# Altium PCB PCB1.PcbDoc
Units mil, origin at the board's own origin, x right, y up, seen from the top; angles counter-clockwise.
Board outline 6000 x 4000 mil, 4 copper layers (Top Layer, Ground, Power, Bottom Layer), stack 23.756 mil thick; 138 components, 145 nets, 524 pads, 0 vias.
Unrouted connection lines stored in the file: 269.
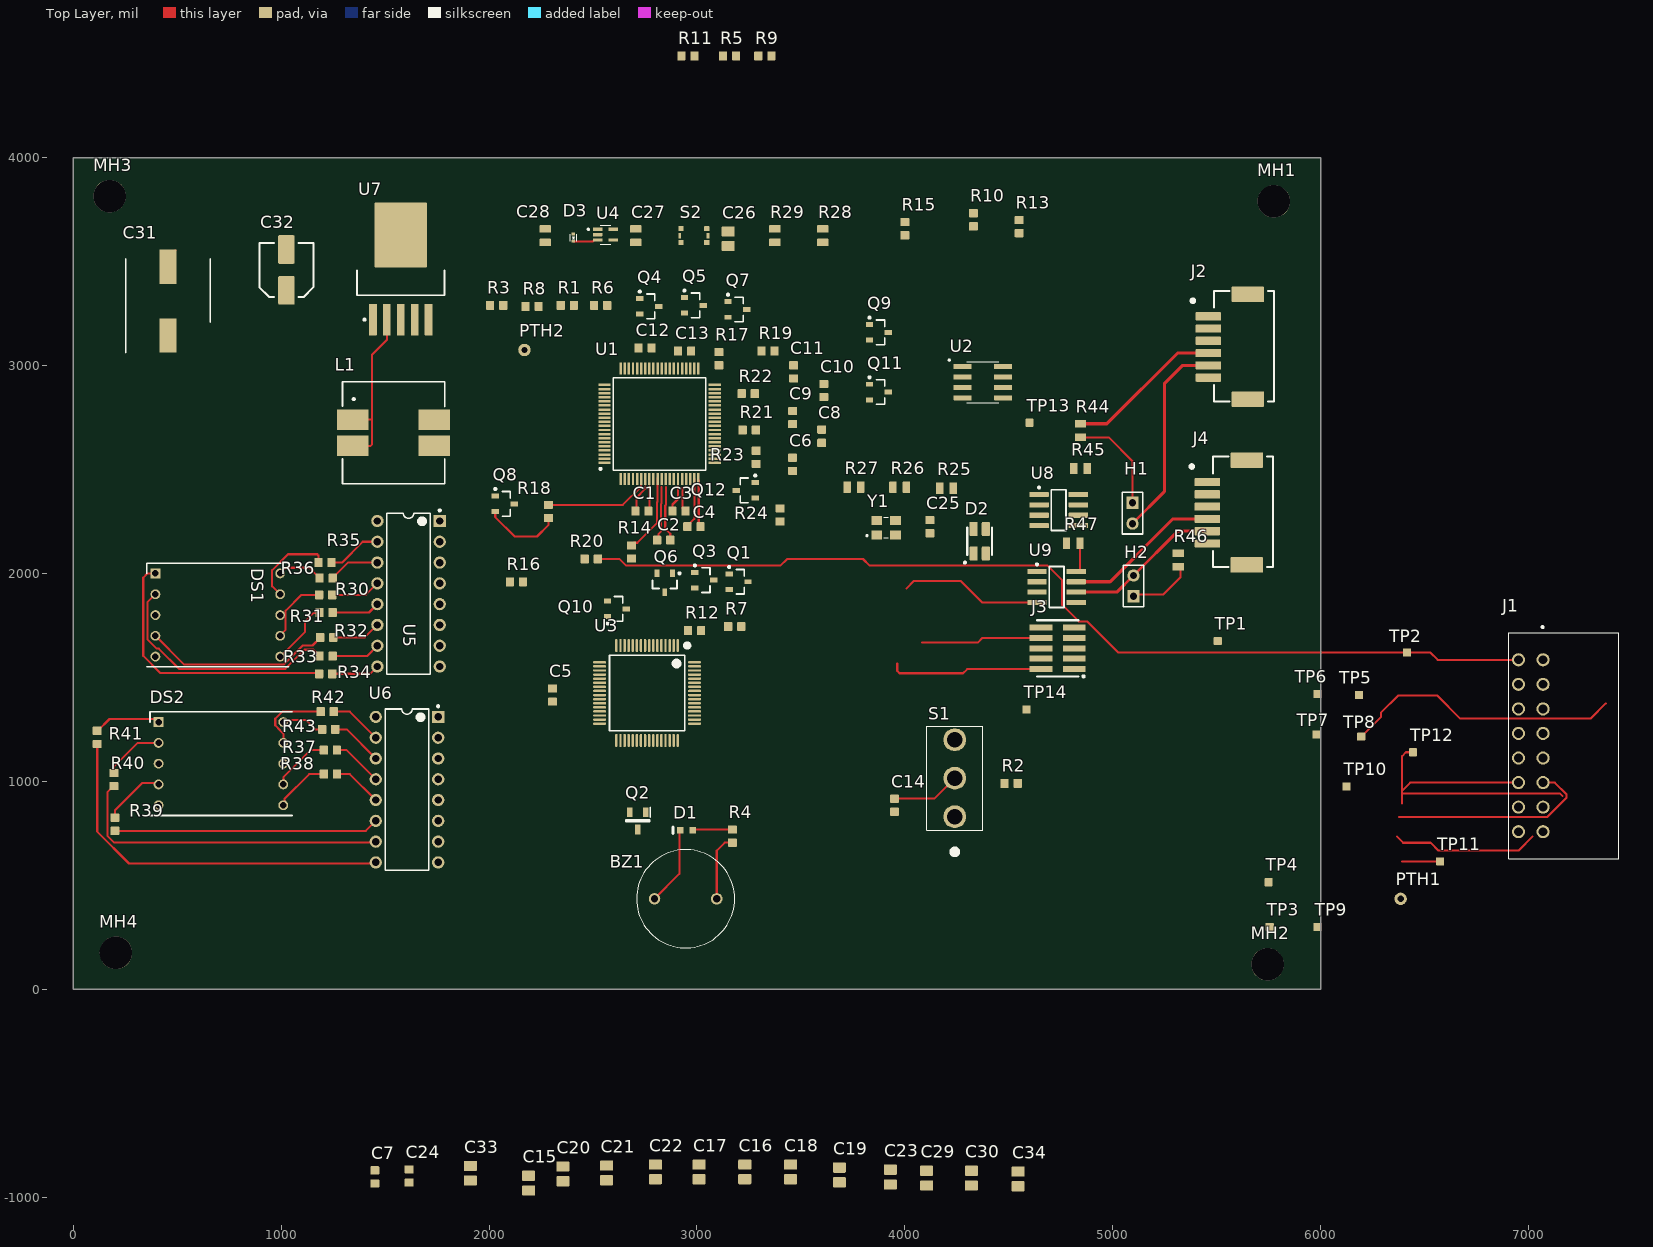
[diagram p0: Top Layer view]
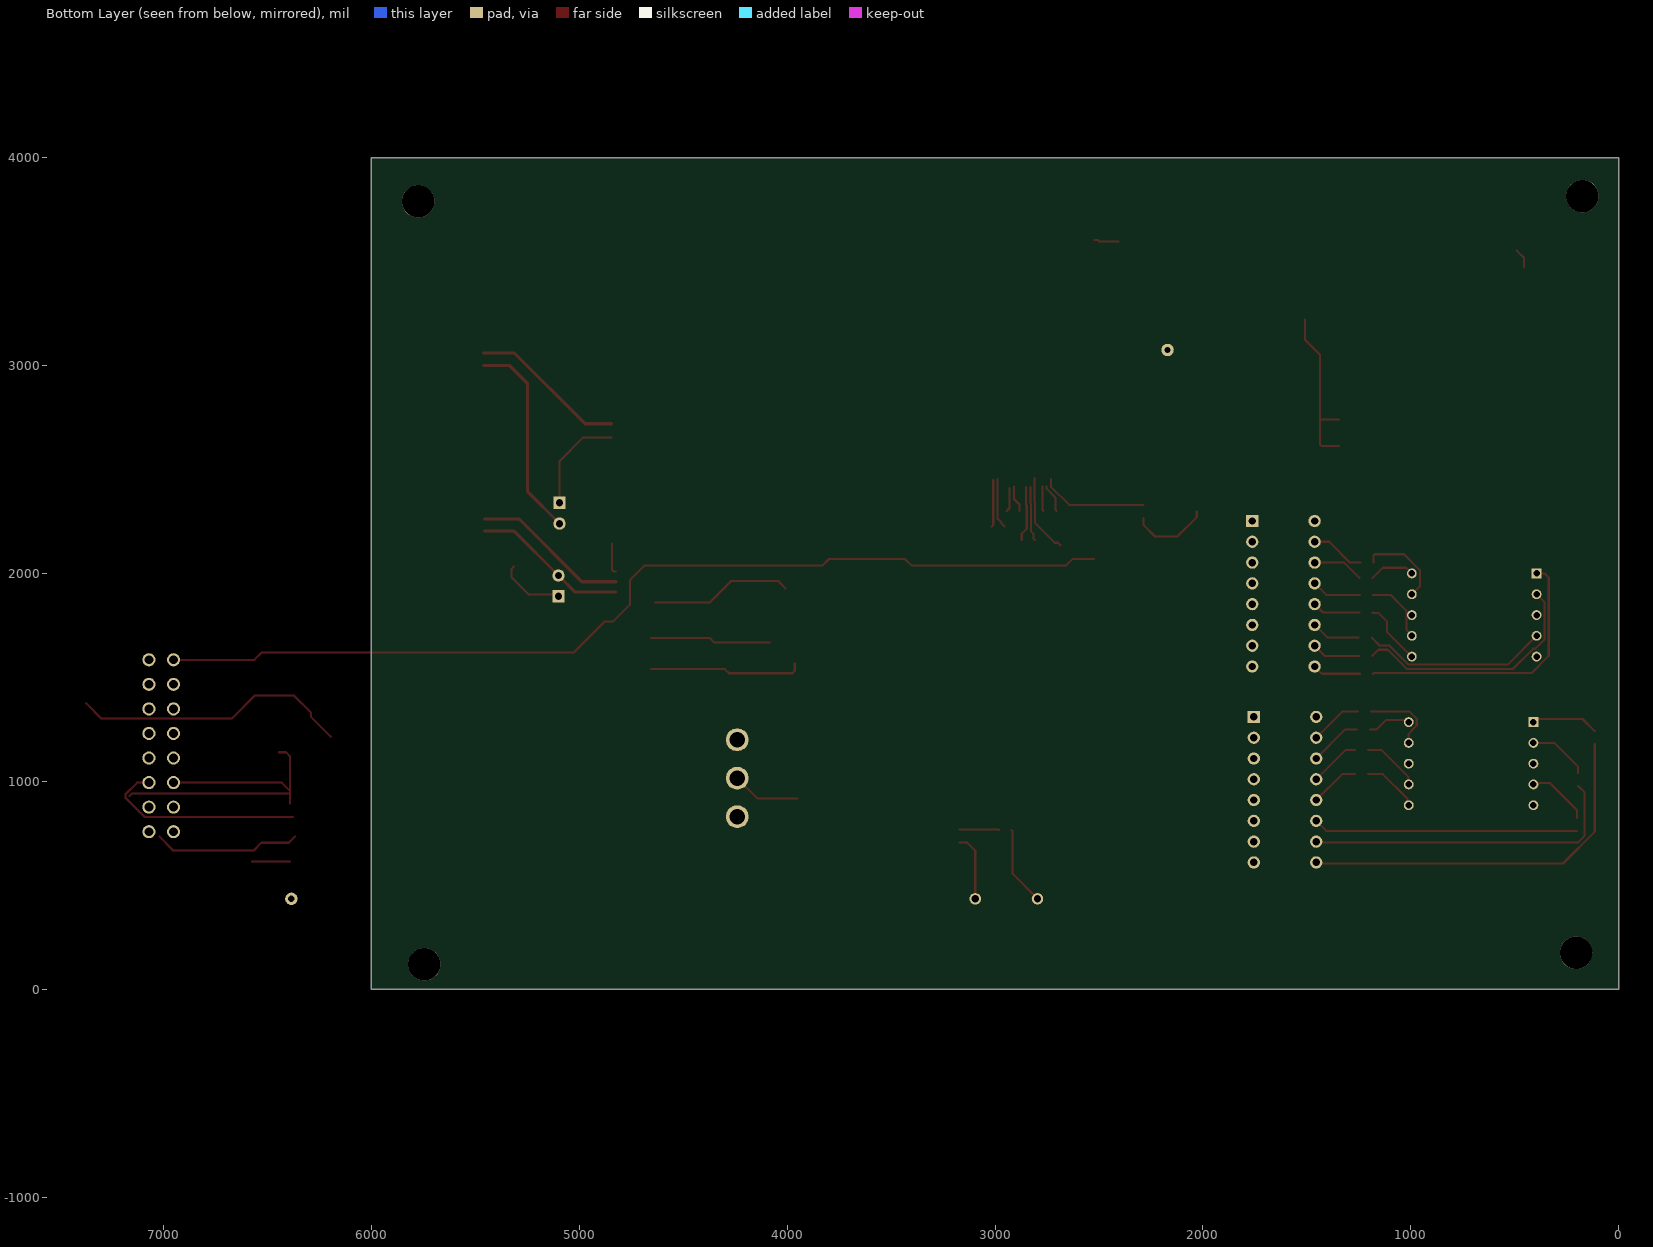
[diagram p1: Bottom Layer view, seen from below]

## Layer stack, top to bottom
Top Solder: solder mask 0.4, Solder Resist, Dk 3.5
Top Layer: signal copper 1.4
Dielectric 2: prepreg 2.8, PP-006, Dk 4.1
Ground: signal copper 1.378
Core: core 12.6, FR-4, Dk 4.8
Power: signal copper 1.378
Dielectric 3: prepreg 2.8, PP-006, Dk 4.1
Bottom Layer: signal copper 1.4
Bottom Solder: solder mask 0.4, Solder Resist, Dk 3.5

## Board outline
0,0 6000,0 6000,4000 0,4000

## Design rules (kind name [scope] priority, off if disabled: settings)
Clearance [All] p1: gap=10 ignorepadtopadclearanceinfootprint=FALSE except(0: Arc-Hole Track-Hole SMDPad-Hole THPad-Hole Via-Hole Fill-Hole Poly-Hole Region-Hole Text-Hole)
DiffPairsRouting [All] p1: maxlimit=10 minlimit=10 mostfreqgap=10 toplayer_minwidth=15 toplayer_maxwidth=15 toplayer_prefwidth=15 midlayer1_minwidth=15 midlayer1_maxwidth=15 midlayer1_prefwidth=15 midlayer2_minwidth=15 midlayer2_maxwidth=15 midlayer2_prefwidth=15 bottomlayer_minwidth=15 bottomlayer_maxwidth=15 bottomlayer_prefwidth=15 maxuncoupledlength=500
PolygonConnect [All] p1: connectstyle=Relief reliefconductorwidth=10 reliefentries=4 polygonreliefangle="90 Angle" airgapwidth=10
RoutingVias [All] p1: holewidth=28 width=50 viastyle="Through Hole" minholewidth=28 minwidth=50 maxholewidth=28 maxwidth=50
SolderMaskExpansion [All] p1: expansion=4 istentingtop=FALSE
Width [All] p1: maxlimit=10 minlimit=10 preferedwidth=10
29 further rules are at their usual default settings.

## Classes and differential pairs
component class Power: C31 C32 L1 U7
component class Microcontroller: C15 C16 C17 C18 C19 C20 C21 C22 C23 C24 C25 C26 C27 C28 C29 C30 D2 D3 J3 MH1 MH2 MH3 MH4 R25 R26 R27 R28 R29 S2 U3 U4 Y1
component class Display: DS1 DS2 R30 R31 R32 R33 R34 R35 R36 R37 R38 R39 R40 R41 R42 R43 U5 U6
component class CAN: C33 C34 H1 H2 J2 J4 R44 R45 R46 R47 U8 U9
component class BMSRev3: BZ1 C1 C2 C3 C4 C5 C6 C7 C8 C9 C10 C11 C12 C13 C14 D1 J1 PTH1 PTH2 Q2 R2 R4 S1 TP13 TP14 U1 U2
component class BatteryBalancingRev3: Q1 Q3 Q4 Q5 Q6 Q7 Q8 Q9 Q10 Q11 Q12 R1 R3 R5 R6 R7 R8 R9 R10 R11 R12 R13 R14 R15 R16 R17 R18 R19 R20 R21 R22 R23 R24 TP1 TP2 TP3 TP4 TP5 TP6 TP7 TP8 TP9 TP10 TP11 TP12
differential pair CANB: +CANB_P -CANB_N
differential pair CANA: +CANA_P -CANA_N

## Components (designator, comment, footprint, x,y, rotation, side; value= is the part's Value field where it differs from the comment)
BZ1 "CMI-1275C-050" CMI1275C050 3095,435 r270 top
C1 "CAP_1uF_50V_0603" CAP0603 2735,2300 r0 top value=1μF
C2 "CAP_1uF_50V_0603" CAP0603 2840,2160 r0 top value=1μF
C3 "CAP_1uF_50V_0603" CAP0603 2913.5,2300 r0 top value=1μF
C4 "CAP_1uF_50V_0603" CAP0603 2985,2225 r0 top value=1μF
C5 "CAP_1uF_50V_0603" CAP0603 2305,1415 r90 top value=1μF
C6 "CAP_1uF_50V_0603" CAP0603 3460,2525 r90 top value=1μF
C7 "CAP_0.1uF_50V_0603" CAP0603 1450,-902.68 r90 top value=0.1μF
C8 "CAP_1uF_50V_0603" CAP0603 3600,2660 r90 top value=1μF
C9 "CAP_1uF_50V_0603" CAP0603 3460,2750 r90 top value=1μF
C10 "CAP_1uF_50V_0603" CAP0603 3610,2880 r90 top value=1μF
C11 "CAP_1uF_50V_0603" CAP0603 3465,2970 r90 top value=1μF
C12 "CAP_1uF_50V_0603" CAP0603 2750,3085 r180 top value=1μF
C13 "CAP_1uF_50V_0603" CAP0603 2940,3070 r180 top value=1μF
C14 "CAP_0.1uF_16V_0603" CAP0603 3950,885 r90 top value=0.1μF
C15 "CAP_0.1uF_50V_0805" CAP2012 2190,-932.68 r90 top value=0.1μF
C16 "CAP_0.1uF_50V_0805" CAP2012 3230,-878.48 r90 top value=0.1μF
C17 "CAP_0.1uF_50V_0805" CAP2012 3010,-878.48 r90 top value=0.1μF
C18 "CAP_0.1uF_50V_0805" CAP2012 3450,-878.48 r90 top value=0.1μF
C19 "CAP_0.1uF_50V_0805" CAP2012 3684.76,-893.48 r90 top value=0.1μF
C20 "CAP_0.1uF_50V_0805" CAP2012 2355,-888.48 r90 top value=0.1μF
C21 "CAP_0.1uF_50V_0805" CAP2012 2565,-883.48 r90 top value=0.1μF
C22 "CAP_0.1uF_50V_0805" CAP2012 2800,-878.48 r90 top value=0.1μF
C23 "CAP_0.1uF_50V_0805" CAP2012 3930,-903.48 r90 top value=0.1μF
C24 "CAP_14pF_50V_0603" CAP0603 1615,-898.48 r90 top value=14pF
C25 "CAP_14pF_50V_0603" CAP0603 4120,2225 r270 top value=14pF
C26 "CAP_1uF_50V_0805" CAP2012 3150,3610 r90 top value=1μF
C27 "CAP_4.7uF_16V_0805" CAP0805 2705,3625 r90 top value=4.7μF
C28 "CAP_0.01uF_100V_0805" CAP0805 2270,3625 r90 top value=0.01μF
C29 "CAP_0.1uF_50V_0805" CAP2012 4105,-908.48 r90 top value=0.1μF
C30 "CAP_0.1uF_50V_0805" CAP2012 4320,-908.48 r90 top value=0.1μF
C31 "865080557015" CAPAE1030X1050N 455,3310 r90 top
C32 "CAP_100uF_35V_ALUM" RADIAL_CORNELL_D 1025,3460 r0 top value=100µF
C33 "CAP_0.1uF_50V_0805" CAP2012 1910,-885 r90 top value=0.1μF
C34 "CAP_0.1uF_50V_0805" CAP2012 4545,-912.68 r90 top value=0.1μF
D1 "HSMG-C190" AVAG-HSMX-C190_V 2950,765 r180 top
D2 "LED_RGB" LED_RGB 4360,2155 r0 top
D3 "TVS_DIODE_UNIDIR_3.3V_7A" SOD-923 2405,3615 r90 top
DS1 "LSHD-5503" DIPS1524W50P254L1240H825Q10N 395,2000 r0 top
DS2 "LSHD-5503" DIPS1524W50P254L1240H825Q10N 410,1285 r0 top
H1 "JUMPER_2" HDR1X2 5095,2340 r270 top
H2 "JUMPER_2" HDR1X2 5100,1890 r90 top
J1 "CONN_0430451600" 0430451600 7069.92,1584.65 r90 top
J2 "CON_6M_SM_RA_1.5mm" MOLEX-5025850670 5460,3237.17 r90 top
J3 "CON_PROGRAMMING" FTSH-105-01-F-DV-K-P-TR 4735,1640 r90 top
J4 "CON_6M_SM_RA_1.5mm" MOLEX-5025850670 5455.24,2439.68 r90 top
L1 "744870221" WE-DD-XL 1540.87,2677.01 r0 top
MH1 "MOUNTING_HOLE_5/32" MOUNTING_HOLE_5/38 5775,3790 r0 top
MH2 "MOUNTING_HOLE_5/32" MOUNTING_HOLE_5/38 5745,120 r0 top
MH3 "MOUNTING_HOLE_5/32" MOUNTING_HOLE_5/38 175,3815 r0 top
MH4 "MOUNTING_HOLE_5/32" MOUNTING_HOLE_5/38 205,175 r0 top
PTH1 "PTH" PTH 6385,435 r90 top
PTH2 "PTH" PTH 2170,3075 r90 top
Q1 "NMOS_20V_6A" SOT23-3#1 3200,1960 r0 top
Q2 "DMN65D8L-7" SOT96P240X100-3N 2715,810 r270 top
Q3 "NMOS_20V_6A" SOT23-3#1 3035.28,1967.6 r0 top
Q4 "NMOS_20V_6A" SOT23-3#1 2770,3285 r0 top
Q5 "NMOS_20V_6A" SOT23-3#1 2985,3290 r0 top
Q6 "NMOS_20V_6A" SOT23-3#1 2845,1955 r270 top
Q7 "NMOS_20V_6A" SOT23-3#1 3194.72,3270 r0 top
Q8 "NMOS_20V_6A" SOT23-3#1 2075,2335 r0 top
Q9 "NMOS_20V_6A" SOT23-3#1 3875,3160 r0 top
Q10 "NMOS_20V_6A" SOT23-3#2 2615,1830 r0 top
Q11 "NMOS_20V_6A" SOT23-3#1 3875.28,2872.6 r0 top
Q12 "NMOS_20V_6A" SOT23-3#2 3235,2400 r180 top
R1 "RES_3kΩ_0603_1%" RES0603 2345,3290 r0 top value=3kΩ
R2 "RES_1kΩ_0603_5%" RES0603 4480,990 r0 top value=1kΩ
R3 "RES_430Ω_0603_5%" RES0603 2005,3290 r0 top value=430Ω
R4 "RES_1kΩ_0603_5%" RES0603 3170,705 r90 top value=1kΩ
R5 "RES_3kΩ_0603_1%" RES0603 3125,4490 r0 top value=3kΩ
R6 "RES_3kΩ_0603_1%" RES0603 2505,3290 r0 top value=3kΩ
R7 "RES_430Ω_0603_5%" RES0603 3150,1745 r0 top value=430Ω
R8 "RES_430Ω_0603_5%" RES0603 2175,3285 r0 top value=430Ω
R9 "RES_3kΩ_0603_1%" RES0603 3295,4490 r0 top value=3kΩ
R10 "RES_3kΩ_0603_1%" RES0603 4330,3670 r90 top value=3kΩ
R11 "RES_430Ω_0603_5%" RES0603 2925,4490 r0 top value=430Ω
R12 "RES_430Ω_0603_5%" RES0603 3020,1725 r180 top value=430Ω
R13 "RES_3kΩ_0603_1%" RES0603 4550,3637.01 r90 top value=3kΩ
R14 "RES_3kΩ_0603_1%" RES0603 2685,2072.01 r90 top value=3kΩ
R15 "RES_430Ω_0603_5%" RES0603 4000,3627.01 r90 top value=430Ω
R16 "RES_430Ω_0603_5%" RES0603 2162.99,1960 r180 top value=430Ω
R17 "RES_3kΩ_0603_1%" RES0603 3105,3065 r270 top value=3kΩ
R18 "RES_3kΩ_0603_1%" RES0603 2285,2267.01 r90 top value=3kΩ
R19 "RES_430Ω_0603_5%" RES0603 3310,3070 r0 top value=430Ω
R20 "RES_430Ω_0603_5%" RES0603 2522.99,2070 r180 top value=430Ω
R21 "RES_3kΩ_0603_1%" RES0603 3282.99,2690 r180 top value=3kΩ
R22 "RES_430Ω_0603_5%" RES0603 3277.99,2865 r180 top value=430Ω
R23 "RES_3kΩ_0603_1%" RES0603 3285,2590 r270 top value=3kΩ
R24 "RES_430Ω_0603_5%" RES0603 3400,2250 r90 top value=430Ω
R25 "RES_20Ω_0805_1%" RES0805 4200,2410 r180 top value=20Ω
R26 "RES_120Ω_0805_1%" RES0805 3975,2415 r0 top value=120Ω
R27 "RES_20Ω_0805_1%" RES0805 3755,2415 r180 top value=20Ω
R28 "RES_10kΩ_0805_5%" RES0805 3605,3625 r90 top value=10kΩ
R29 "RES_10kΩ_0805_5%" RES0805 3375,3625 r90 top value=10kΩ
R30 "RES_62Ω_0603_1%" RES0603 1245.51,1897.4 r180 top value=62Ω
R31 "RES_62Ω_0603_1%" RES0603 1247.52,1812.4 r180 top value=62Ω
R32 "RES_62Ω_0603_1%" RES0603 1250.51,1692.4 r180 top value=62Ω
R33 "RES_62Ω_0603_1%" RES0603 1247.52,1602.4 r180 top value=62Ω
R34 "RES_62Ω_0603_1%" RES0603 1245.51,1517.4 r180 top value=62Ω
R35 "RES_62Ω_0603_1%" RES0603 1242.52,2052.4 r180 top value=62Ω
R36 "RES_62Ω_0603_1%" RES0603 1247.52,1977.4 r180 top value=62Ω
R37 "RES_62Ω_0603_1%" RES0603 1267.99,1150 r180 top value=62Ω
R38 "RES_62Ω_0603_1%" RES0603 1267.99,1035 r180 top value=62Ω
R39 "RES_62Ω_0603_1%" RES0603 200,762.01 r90 top value=62Ω
R40 "RES_62Ω_0603_1%" RES0603 195,977.01 r90 top value=62Ω
R41 "RES_62Ω_0603_1%" RES0603 115,1180 r90 top value=62Ω
R42 "RES_62Ω_0603_1%" RES0603 1252.99,1335 r180 top value=62Ω
R43 "RES_62Ω_0603_1%" RES0603 1260,1250 r180 top value=62Ω
R44 "RES_120Ω_0805_1%" RES0805 4845,2687.52 r90 top value=120Ω
R45 "RES_0Ω_0805" RES0805 4845,2505 r180 top value=0Ω
R46 "RES_120Ω_0805_1%" RES0805 5315,2065 r90 top value=120Ω
R47 "RES_0Ω_0805" RES0805 4810,2145 r180 top value=0Ω
S1 "SW_TOGGLE_SPDT" 100SP1T1B4M2QE 4240,1015 r90 top
S2 "SW_PUSHBUTTON" TACTILE_SWITCH_SMD 2985,3625 r0 top
TP1 "TESTPOINT_1MM_SQUARE" TESTPOINT_SQUARE_1MM 5505,1675 r90 top
TP2 "TESTPOINT_1MM_SQUARE" TESTPOINT_SQUARE_1MM 6415,1620 r90 top
TP3 "TESTPOINT_1MM_SQUARE" TESTPOINT_SQUARE_1MM 5755,300 r90 top
TP4 "TESTPOINT_1MM_SQUARE" TESTPOINT_SQUARE_1MM 5750,515 r90 top
TP5 "TESTPOINT_1MM_SQUARE" TESTPOINT_SQUARE_1MM 6185,1415 r90 top
TP6 "TESTPOINT_1MM_SQUARE" TESTPOINT_SQUARE_1MM 5985,1420 r90 top
TP7 "TESTPOINT_1MM_SQUARE" TESTPOINT_SQUARE_1MM 5980,1225 r90 top
TP8 "TESTPOINT_1MM_SQUARE" TESTPOINT_SQUARE_1MM 6195,1215 r90 top
TP9 "TESTPOINT_1MM_SQUARE" TESTPOINT_SQUARE_1MM 5985,300 r90 top
TP10 "TESTPOINT_1MM_SQUARE" TESTPOINT_SQUARE_1MM 6125,975 r90 top
TP11 "TESTPOINT_1MM_SQUARE" TESTPOINT_SQUARE_1MM 6575,615 r90 top
TP12 "TESTPOINT_1MM_SQUARE" TESTPOINT_SQUARE_1MM 6445,1140 r90 top
TP13 "TESTPOINT_1MM_SQUARE" TESTPOINT_SQUARE_1MM 4600,2725 r90 top
TP14 "TESTPOINT_1MM_SQUARE" TESTPOINT_SQUARE_1MM 4585,1345 r90 top
U1 "MAX14921ECS+" QFP50P1400X1400X120-80N 2820.16,2719.72 r0 top
U2 "TMCS1101A1BQDRQ1" SOIC127P600X175-8N 4375,2920 r0 top
U3 "STM32F446RET6" STM-LQFP64_L 2760,1425 r270 top
U4 "IC_TEMP_SENSOR_2" SOT65P210X110-5N 2560,3630 r0 top
U5 "CD4511BE" N0016A 1612.52,1902.4 r180 top
U6 "CD4511BE" N0016A 1605,960 r180 top
U7 "LM2575HVS-3.3/NOPB" KTT0005B_L 1575,3465 r90 top
U8 "LTC2875" LT-S8_N 4740,2305 r0 top
U9 "LTC2875" LT-S8_N 4730,1935 r0 top
Y1 "CRYSTAL_25MHZ_20PF" XTAL_ECS-250-20-33-CKM-TR 3910,2220 r0 top

## Footprints (in the part's own frame and the unit in brackets; to place one, negate y for a bottom-side part, rotate by r counter-clockwise, add the part's x,y. Pads: shape width x height; smd on the part's side, far side on the other; paste and mask are expansions set on the pad)
100SP1T1B4M2QE [mm]
  round 2.775 hole 1.85: 1(-4.7,0) 2(0,0) 3(4.7,0)
  silkscreen extent -9.3,-3.43 6.35,3.43, body extent -6.35,-3.43 6.35,3.43, height 29.63
0430451600 [mm]
  round 1.605 hole 1.07: 1(0,0) 2(-3,0) 3(-6,0) 4(-9,0) 5(-12,0) 6(-15,0) 7(-18,0) 8(-21,0) 9(0,3) 10(-3,3) 11(-6,3) 12(-9,3) 13(-12,3) 14(-15,3) 15(-18,3) 16(-21,3)
  round 1.525 hole 3.05 unplated: MH1(-18.85,-4.32) MH2(-2.15,-4.32)
  silkscreen extent -24.33,-9.24 4.05,4.2, body extent -24.59,-8.89 3.57,3.35, height 8.77
AVAG-HSMX-C190_V [mm] "SMD, 2-Leads, Body 1.6x0.8mm, Height 0.9mm"
  rect 0.8x0.8 smd: 1(-0.75,0) 2(0.75,0)
  silkscreen extent 1.65,-0.4 1.65,0.4, body extent -0.8,-0.4 0.8,0.4, height 0.9
CAP0603 [mm]
  rrect20% 1x1.1 smd: 1(-0.8,0) 2(0.8,0)
  body extent -0.87,-0.48 0.88,0.48, height 0.87
CAP0805 [mm] "Chip Capacitor, Body 2.0x1.2mm, Height 0.45mm, IPC Medium Density"
  rrect15% 0.9x1.4 smd: 1(-0.825,0) 2(0.825,0)
  body extent -1.1,-0.73 1.1,0.73, height 1.39
CAP2012 [mm]
  rrect20% 1.25x1.6 smd: 1(-0.895,0) 2(0.895,0)
  body extent -1.1,-0.7 1.1,0.75, height 1.41
CAPAE1030X1050N [mm]
  rect 4.2x2.05 smd: 1(-4.2,0) 2(4.2,0)
  silkscreen extent -6.3,-5.15 5.15,5.15, body extent -5.6,-5.25 5.6,5.25, height 10.5
CMI1275C050 [mm]
  round 1.4 hole 0.9: 1(0,0) 2(0,-7.6)
  silkscreen extent -6,-9.8 6,2.2, body extent -6,-9.8 6,2.2, height 8.1
DIPS1524W50P254L1240H825Q10N [mm]
  rect 1.2x1.2 hole 0.8: 1(0,0)
  round 1.2 hole 0.8: 2(0,-2.54) 3(0,-5.08) 4(0,-7.62) 5(0,-10.16) 6(15.24,-10.16) 7(15.24,-7.62) 8(15.24,-5.08) 9(15.24,-2.54) 10(15.24,0)
  silkscreen extent -1.05,-11.4 16.29,1.24
FTSH-105-01-F-DV-K-P-TR [mil] "Samtec programming header 10 positions"
  rect 29x110 smd mask+2: 1(-100,-80) 2(-100,80) 3(-50,-80) 4(-50,80) 5(0,-80) 6(0,80) 7(50,-80) 8(50,80) 9(100,-80) 10(100,80)
  silkscreen extent -140,-130 135,100, body extent -125,-175 125,115, height 276
HDR1X2 [mm] "Connector; Header; 2 Position"
  rect 1.5x1.5 hole 0.9: 1(0,0)
  round 1.5 hole 0.9: 2(2.54,0)
  silkscreen extent -1.27,-1.27 3.81,1.27, body extent -3.81,-1.27 1.27,1.27, height 6.35
KTT0005B_L [mm] "DPAK, 5-Leads, Body 10.65x9.65mm, Pitch 1.7mm, IPC High Density"
  rrect11% 3.85x0.95 smd: 1(-6.2,3.4) 2(-6.2,1.7) 3(-6.2,0) 4(-6.2,-1.7) 5(-6.2,-3.4)
  rrect2% 7.9x6.4 smd: 6(4.15,0)
  silkscreen extent -6.32,-5.35 -0.2,5.35, body extent -3.2,-5.32 6.45,5.33, height 4.83
LED_RGB [mm]
  rrect20% 1x1.7 smd: 1(-0.75,-1.5) 2(-0.75,1.5) 3(0.75,1.5) 4(0.75,-1.5)
  silkscreen extent -1.92,-2.72 1.53,1.7, body extent -1.4,-1.75 1.4,1.75, height 1.89
LT-S8_N [mm] "SOP, 8-Leads, Body 4.9x3.9mm, Pitch 1.27mm, IPC Medium Density"
  rrect20% 2.375x0.625 smd: 1(-2.4,1.905) 2(-2.4,0.635) 3(-2.4,-0.635) 4(-2.4,-1.905) 5(2.4,-1.905) 6(2.4,-0.635) 7(2.4,0.635) 8(2.4,1.905)
  silkscreen extent -2.52,-2.5 0.9,2.88, body extent -2.91,-2.4 2.87,2.5, height 1.45
MOLEX-5025850670 [mm]
  rrect15% 1.9x4 smd: 0(-10.125,-4.82) 0(2.675,-4.82)
  rrect15% 1x3.1 smd: 1(0,0) 2(-1.5,0) 3(-3,0) 4(-4.5,0) 5(-6,0) 6(-7.5,0)
  silkscreen extent -10.4,-8 3.1,2.1, body extent -10.25,-7.88 3.05,0.62, height 7.61
MOUNTING_HOLE_5/38 [mm] "Meant to use with Mcmaster-carr PN: 91443A250"
  round 3.97 hole 3.97 unplated mask+0.3: 0(0,0)
N0016A [mm] "DIP, 16-Leads, Body 19.7x6.6mm, Pitch 2.54mm"
  rect 1.5x1.5 hole 0.9: 1(-3.81,-8.89)
  round 1.5 hole 0.9: 2(-3.81,-6.35) 3(-3.81,-3.81) 4(-3.81,-1.27) 5(-3.81,1.27) 6(-3.81,3.81) 7(-3.81,6.35) 8(-3.81,8.89) 9(3.81,8.89) 10(3.81,6.35) 11(3.81,3.81) 12(3.81,1.27) 13(3.81,-1.27) 14(3.81,-3.81) 15(3.81,-6.35) 16(3.81,-8.89)
  silkscreen extent -3.94,-10.31 2.65,9.85, body extent -3.95,-9.85 3.95,9.85, height 5.08
PTH [mil] "Plated Through Hole"
  round 60 hole 30: 1(0,0)
QFP50P1400X1400X120-80N [mm]
  rect 1.475x0.3 smd: 1(-6.738,-4.75) 2(-6.738,-4.25) 3(-6.738,-3.75) 4(-6.738,-3.25) 5(-6.738,-2.75) 6(-6.738,-2.25) 7(-6.738,-1.75) 8(-6.738,-1.25) 9(-6.738,-0.75) 10(-6.738,-0.25) 11(-6.738,0.25) 12(-6.738,0.75) 13(-6.738,1.25) 14(-6.738,1.75) 15(-6.738,2.25) 16(-6.738,2.75) 17(-6.738,3.25) 18(-6.738,3.75) 19(-6.738,4.25) 20(-6.738,4.75) 41(6.738,4.75) 42(6.738,4.25) 43(6.738,3.75) 44(6.738,3.25) 45(6.738,2.75) 46(6.738,2.25) 47(6.738,1.75) 48(6.738,1.25) 49(6.738,0.75) 50(6.738,0.25) 51(6.738,-0.25) 52(6.738,-0.75) 53(6.738,-1.25) 54(6.738,-1.75) 55(6.738,-2.25) 56(6.738,-2.75) 57(6.738,-3.25) 58(6.738,-3.75) 59(6.738,-4.25) 60(6.738,-4.75)
  rect 0.3x1.475 smd: 21(-4.75,6.738) 22(-4.25,6.738) 23(-3.75,6.738) 24(-3.25,6.738) 25(-2.75,6.738) 26(-2.25,6.738) 27(-1.75,6.738) 28(-1.25,6.738) 29(-0.75,6.738) 30(-0.25,6.738) 31(0.25,6.738) 32(0.75,6.738) 33(1.25,6.738) 34(1.75,6.738) 35(2.25,6.738) 36(2.75,6.738) 37(3.25,6.738) 38(3.75,6.738) 39(4.25,6.738) 40(4.75,6.738) 61(4.75,-6.738) 62(4.25,-6.738) 63(3.75,-6.738) 64(3.25,-6.738) 65(2.75,-6.738) 66(2.25,-6.738) 67(1.75,-6.738) 68(1.25,-6.738) 69(0.75,-6.738) 70(0.25,-6.738) 71(-0.25,-6.738) 72(-0.75,-6.738) 73(-1.25,-6.738) 74(-1.75,-6.738) 75(-2.25,-6.738) 76(-2.75,-6.738) 77(-3.25,-6.738) 78(-3.75,-6.738) 79(-4.25,-6.738) 80(-4.75,-6.738)
  silkscreen extent -7.35,-5.65 5.65,5.65, body extent -7,-7 7,7, height 1.2